# Altium PCB eps-flight.PcbDoc (part 2 of 4)
Units mm, origin at the board's own origin, x right, y up, seen from the top; angles counter-clockwise.
Board outline 94.67 x 90.17 mm, 4 copper layers (Top Layer, GND, VCC, Bottom Layer), stack 0.778 mm thick; 267 components, 191 nets, 1098 pads, 693 vias.
Unrouted connection lines stored in the file: 8.
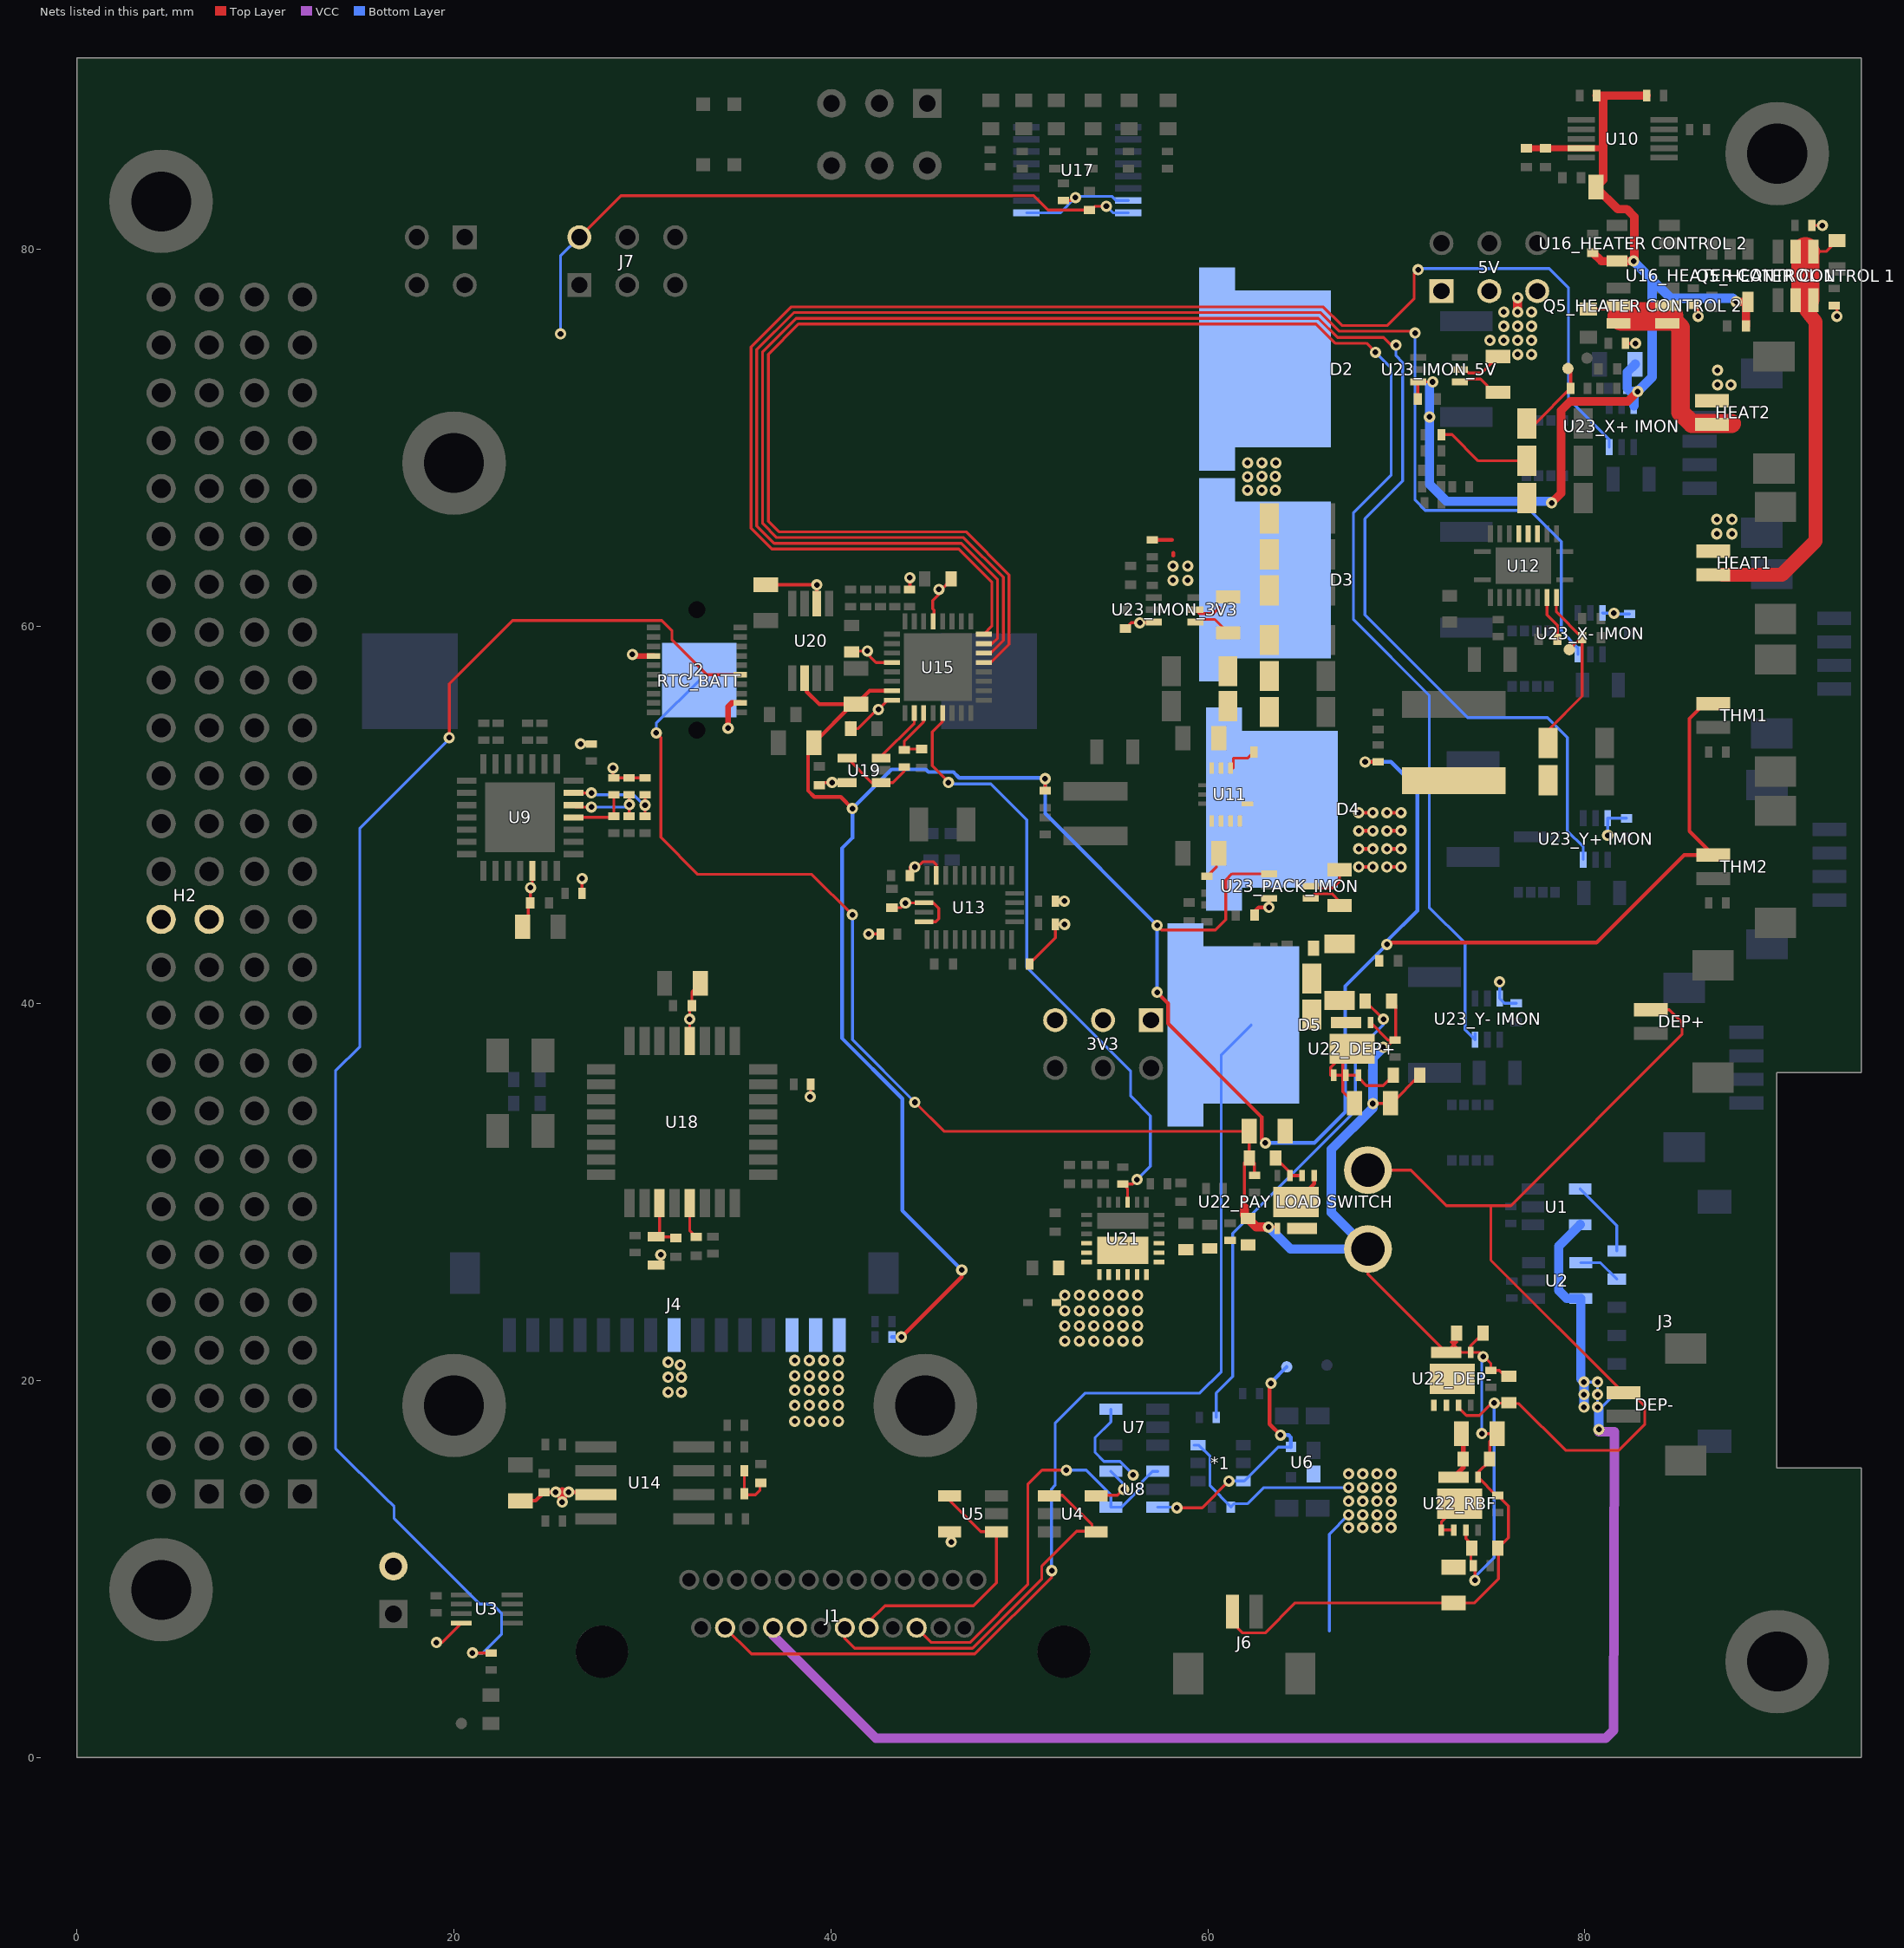
[diagram p4: the nets of this part, all layers, seen from the top]

## Part data
3V3 5V J7: "6 pos 100mil pitch low profile header", Supplier Part Number 1=SAM1088-03-ND, Supplier 1=Digi-Key
*1: "Battery Protection IC"
C1 C4 C5 C37 "C43_HEATER CONTROL 1" "C43_HEATER CONTROL 2" C44 C46 C47 C48 C51 C66_IMON_3V3 C66_IMON_5V C66_PACK_IMON "C66_X+ IMON" "C66_X- IMON" "C66_Y+ IMON" "C66_Y- IMON": library part CAP0402, "0402 capacitor", Capacitance=100nF, Case Code (Metric)=1005, Dielectric=X7R, Manufacturer="Taiyo Yuden", Manufacturer Part Number=EMK105B7104KVHF, Max Operating Temperature=125°C, Min Operating Temperature=-55°C, Package Quantity=10000, Ratings=AEC-Q200, Supplier Part Number 1=587-3807-1-ND, Tolerance=10%, Voltage Rating=16V, Case/Package=0402, Case Code (Imperial)=0402, Halogen Free="Halogen Free", Height=0.5mm, Lead Free="Lead Free", Length=0.039inch, Mount="Surface Mount", Packaging="Tape and Reel", Supplier 1=Digi-Key, Termination=SMD/SMT, Thickness=0.022inch, Voltage Rating (DC)=16V, Weight=2.3E-05oz, Width=0.02inch
  C1: ComponentLink1Description=http://www.yuden.co.jp/ut/product/category/capacitor/putpdf/EMK105B7104KVHF_SS.pdf?src-supplier=Avnet, ComponentLink1URL=http://www.yuden.co.jp/ut/product/category/capacitor/putpdf/EMK105B7104KVHF_SS.pdf?src-supplier=Avnet, ComponentLink2Description=http://ds.yuden.co.jp/TYCOMPAS/ut/detail.do?productNo=EMK105B7104KVHF&fileName=EMK105B7104KVHF_SS&mode=specSheetDownload&src-supplier=Digi-Key, ComponentLink2URL=http://ds.yuden.co.jp/TYCOMPAS/ut/detail.do?productNo=EMK105B7104KVHF&fileName=EMK105B7104KVHF_SS&mode=specSheetDownload&src-supplier=Digi-Key, ComponentLink3Description=https://www.yuden.co.jp/productdata/catalog/mlcc01_hq_e.pdf?src-supplier=Digi-Key, ComponentLink3URL=https://www.yuden.co.jp/productdata/catalog/mlcc01_hq_e.pdf?src-supplier=Digi-Key, ComponentLink4Description=http://www.mouser.com/ds/2/396/mlcc11_hq_e-541564.pdf?src-supplier=Mouser, ComponentLink4URL=http://www.mouser.com/ds/2/396/mlcc11_hq_e-541564.pdf?src-supplier=Mouser, Pricing 1="1=0.1, 10=0.052, 100=0.0233, 500=0.01666, 1000=0.01309, 2500=0.0119, 5000=0.01095 (USD)", Stock 1=97505
  C4 C5 C37 "C43_HEATER CONTROL 1" "C43_HEATER CONTROL 2" C44 C46 C47 C48 C51: Pricing 1="1=0.1, 10=0.057, 100=0.0254, 500=0.01812, 1000=0.01423, 2500=0.01294, 5000=0.0119 (USD)", Stock 1=18196
  C66_IMON_3V3 C66_IMON_5V C66_PACK_IMON "C66_X+ IMON" "C66_X- IMON" "C66_Y+ IMON" "C66_Y- IMON": Pricing 1="1=0.1, 10=0.057, 100=0.0254, 500=0.01812, 1000=0.01423, 2500=0.01294, 5000=0.0119 (USD)", Stock 1=17496
C2 C15 C19 C22 C30 C31 C32 C33: library part CAP0402, "0402 capacitor"
C3 C36 C42 C45 C53 C55: library part CAP0805, "0805 capacitor", Capacitance=10uF, Dielectric=X7R, Manufacturer=Murata, Manufacturer Part Number=GCM21BR70J106KE22K, Max Operating Temperature=125°C, Min Operating Temperature=-55°C, Supplier Part Number 1=490-14361-1-ND, Tolerance=10%, Voltage Rating (DC)=6.3V, Case/Package=0805, Depth=1.25mm, Lead Free="Lead Free", Length=2mm, Packaging="Tape and Reel", Pricing 1="1=0.42, 10=0.29, 100=0.1742, 500=0.13064, 1000=0.11031, 2500=0.10451, 5000=0.0987 (USD)", Stock 1=214938, Supplier 1=Digi-Key
C6: library part CAP0402, "0402 capacitor", Capacitance=100pF, Dielectric=X7R, Dielectric Material=Ceramic, Manufacturer=KEMET, Manufacturer Part Number=C0402C101J5RACAUTO, Supplier Part Number 1=399-17545-1-ND, Tolerance=5%, Voltage Rating (DC)=50V, Case/Package=0402, Pricing 1="1=0.13, 10=0.092, 100=0.0409, 500=0.02918, 1000=0.02293, 2500=0.02084, 5000=0.01918 (USD)", Stock 1=193150, Supplier 1=Digi-Key
C7: library part CAP0402, "0402 capacitor", Capacitance=150nF, Case Code (Metric)=1005, Dielectric=X7R, Manufacturer=TDK, Manufacturer Part Number=CGA2B1X7R1A154M050BC, Max Operating Temperature=125°C, Min Operating Temperature=-55°C, Package Quantity=10000, Ratings=AEC-Q200, Supplier Part Number 1=445-12236-1-ND, Tolerance=20%, Voltage Rating=10V, Case/Package=0402, Case Code (Imperial)=0402, Height=0.5mm, Length=0.039inch, Mount="Surface Mount", Packaging="Tape and Reel", Pricing 1="1=0.15, 10=0.106, 100=0.05, 500=0.03508, 1000=0.02904, 2500=0.02702, 5000=0.02473 (USD)", Stock 1=9983, Supplier 1=Digi-Key, Thickness=0.022inch, Voltage Rating (DC)=10V, Weight=2.3E-05oz, Width=0.5mm
C8 C9 C67 C72: library part CAP0805, "0805 capacitor"
C10 C11 C12 C13 C14 C16 C17 C18 C20 C21 C26 C27 C28 C70 C71: library part CAP1206, "1206 capacitor"
C23: library part CAP0603, "0603 capacitor", Capacitance=2.2uF, Case Code (Metric)=1608, Dielectric=X7S, Manufacturer=TDK, Manufacturer Part Number=CGA3E1X7S1C225K080AC, Max Operating Temperature=125°C, Min Operating Temperature=-55°C, Package Quantity=1, Ratings=AEC-Q200, Supplier Part Number 1=445-16104-1-ND, Tolerance=10%, Voltage Rating=16V, Case/Package=0603, Case Code (Imperial)=0603, ComponentLink1Description=https://product.tdk.com/info/en/catalog/spec/mlccspec_automotive_general_midvoltage_en.pdf?src-supplier=Digi-Key, ComponentLink1URL=https://product.tdk.com/info/en/catalog/spec/mlccspec_automotive_general_midvoltage_en.pdf?src-supplier=Digi-Key, ComponentLink2Description=http://www.farnell.com/datasheets/1936565.pdf?src-supplier=Element14, ComponentLink2URL=http://www.farnell.com/datasheets/1936565.pdf?src-supplier=Element14, ComponentLink3Description=https://product.tdk.com/info/en/catalog/datasheets/mlcc_automotive_general_en.pdf?src-supplier=Digi-Key, ComponentLink3URL=https://product.tdk.com/info/en/catalog/datasheets/mlcc_automotive_general_en.pdf?src-supplier=Digi-Key, ComponentLink4Description=http://product.tdk.com/en/catalog/datasheets/mlcc_automotive_general_en.pdf?src-supplier=Avnet, ComponentLink4URL=http://product.tdk.com/en/catalog/datasheets/mlcc_automotive_general_en.pdf?src-supplier=Avnet, ComponentLink5Description=http://www.farnell.com/datasheets/2292075.pdf?src-supplier=Farnell, ComponentLink5URL=http://www.farnell.com/datasheets/2292075.pdf?src-supplier=Farnell, ComponentLink6Description=http://www.farnell.com/datasheets/1936565.pdf?src-supplier=Farnell, ComponentLink6URL=http://www.farnell.com/datasheets/1936565.pdf?src-supplier=Farnell, Lead Free="Lead Free", Length=0.063inch, Mount="Surface Mount", Packaging="Cut Tape", Pricing 1="1=0.3, 10=0.203, 100=0.115, 500=0.08114, 1000=0.071 (USD)", REACH SVHC="No SVHC", Stock 1=772454, Supplier 1=Digi-Key, Thickness=0.035inch, Voltage Rating (DC)=16V, Width=0.031inch
C24: library part CAP0402, "0402 capacitor", Capacitance=82pF, Case Code (Metric)=1005, Manufacturer=Murata, Manufacturer Part Number=GCM1555C1H820FA16D, Max Operating Temperature=125°C, Min Operating Temperature=-55°C, Ratings=AEC-Q200, Supplier Part Number 1=490-16436-1-ND, Tolerance=1%, Voltage Rating=50V, Case/Package=0402, Case Code (Imperial)=0402, ComponentLink1Description=http://search.murata.co.jp/Ceramy/image/img/A01X/G101/ENG/GCM1555C1H820FA16-01.pdf?src-supplier=Digi-Key, ComponentLink1URL=http://search.murata.co.jp/Ceramy/image/img/A01X/G101/ENG/GCM1555C1H820FA16-01.pdf?src-supplier=Digi-Key, Mount="Surface Mount", Packaging="Tape and Reel", Pricing 1="1=0.13, 10=0.09, 100=0.0424, 500=0.0297, 1000=0.02459, 2500=0.02289, 5000=0.02094 (USD)", Stock 1=58762, Supplier 1=Digi-Key
C25: library part CAP0402, "0402 capacitor", Capacitance=8.2nF, Case Code (Metric)=1005, Manufacturer=Samsung, Manufacturer Part Number=CL05B822KB5VPNC, Max Operating Temperature=125°C, Min Operating Temperature=-55°C, Ratings=AEC-Q200, Supplier Part Number 1=1276-6570-2-ND, Tolerance=10%, Voltage Rating=50V, Case/Package=0402, Case Code (Imperial)=0402, Features="Soft Termination", Length=0.039inch, Mount="Surface Mount", Packaging="Tape and Reel", Pricing 1="10000=0.00495 (USD)", Stock 1=10000, Supplier 1=Digi-Key, Thickness=0.022inch, Width=0.02inch
C29: library part CAP0402, "0402 capacitor", Capacitance=1.8nF, Case Code (Metric)=1005, Manufacturer=Murata, Manufacturer Part Number=GCM155R71H182KA37D, Max Operating Temperature=125°C, Min Operating Temperature=-55°C, Ratings=AEC-Q200, Supplier Part Number 1=490-14429-1-ND, Tolerance=10%, Voltage Rating=50V, Case/Package=0402, Case Code (Imperial)=0402, ComponentLink1Description=http://search.murata.co.jp/Ceramy/image/img/A01X/partnumbering_e_02.pdf?src-supplier=Digi-Key, ComponentLink1URL=http://search.murata.co.jp/Ceramy/image/img/A01X/partnumbering_e_02.pdf?src-supplier=Digi-Key, ComponentLink2Description=http://search.murata.co.jp/Ceramy/image/img/A01X/G101/ENG/GCM155R71H182KA37-01.pdf?src-supplier=Digi-Key, ComponentLink2URL=http://search.murata.co.jp/Ceramy/image/img/A01X/G101/ENG/GCM155R71H182KA37-01.pdf?src-supplier=Digi-Key, Mount="Surface Mount", Packaging="Cut Tape", Pricing 1="1=0.1, 10=0.032, 100=0.0143, 500=0.01022, 1000=0.00803, 2500=0.0073, 5000=0.00671 (USD)", Stock 1=73085, Supplier 1=Digi-Key
C34 C35 C49 C50: library part CAP0603, "0603 capacitor"
C38: library part CAP0402, "0402 capacitor", Capacitance=47pF, Dielectric=X7R, Manufacturer=KEMET, Manufacturer Part Number=C0402C470J3RACAUTO, Max Operating Temperature=125°C, Min Operating Temperature=-55°C, Supplier Part Number 1=399-17558-1-ND, Tolerance=5%, Case/Package=0402, Depth=0.5mm, Length=1mm, Packaging="Tape and Reel", Pricing 1="1=0.15, 10=0.104, 100=0.0489, 500=0.0343, 1000=0.0284, 2500=0.02643, 5000=0.02418 (USD)", Stock 1=18140, Supplier 1=Digi-Key
C39 C40 C41 C54: library part CAP0603, "0603 capacitor", Capacitance=1uF, Case Code (Metric)=1608, Manufacturer=KEMET, Manufacturer Part Number=C0603C105K4RACAUTO, Max Operating Temperature=125°C, Min Operating Temperature=-55°C, Ratings=AEC-Q200, Supplier Part Number 1=399-17704-1-ND, Tolerance=10%, Voltage Rating=16V, Case/Package=0603, Case Code (Imperial)=0603, Mount="Surface Mount", Packaging="Cut Tape", Pricing 1="1=0.17, 10=0.12, 100=0.0564, 500=0.03952, 1000=0.03273 (USD)", Stock 1=376276, Supplier 1=Digi-Key
C52: library part CAP0402, "0402 capacitor", Capacitance=220pF, Case Code (Metric)=1005, Dielectric=X7R, Manufacturer=Murata, Manufacturer Part Number=GCM155R71H221KA37D, Max Operating Temperature=125°C, Min Operating Temperature=-55°C, Package Quantity=1, Ratings=AEC-Q200, Supplier Part Number 1=490-4912-1-ND, Tolerance=10%, Voltage=50V, Case/Package=0402, Case Code (Imperial)=0402, ComponentLink1Description=http://psearch.murata.com/capacitor/product/GCM155R71H221KA37%23.pdf?src-supplier=Avnet+Europe, ComponentLink1URL=http://psearch.murata.com/capacitor/product/GCM155R71H221KA37%23.pdf?src-supplier=Avnet+Europe, ComponentLink2Description=http://search.murata.co.jp/Ceramy/image/img/A01X/partnumbering_e_02.pdf?src-supplier=Digi-Key, ComponentLink2URL=http://search.murata.co.jp/Ceramy/image/img/A01X/partnumbering_e_02.pdf?src-supplier=Digi-Key, ComponentLink3Description=https://www.murata.com/~/media/webrenewal/support/library/catalog/products/capacitor/mlcc/c03e.ashx?src-supplier=Avnet, ComponentLink3URL=https://www.murata.com/~/media/webrenewal/support/library/catalog/products/capacitor/mlcc/c03e.ashx?src-supplier=Avnet, Depth=0.5mm, Height=0.5mm, Length=1mm, Mount="Surface Mount", Packaging="Tape and Reel", Pricing 1="1=0.1, 10=0.059, 100=0.0264, 500=0.01884, 1000=0.0148, 2500=0.01346, 5000=0.01238 (USD)", Radiation Hardening=No, Stock 1=141569, Supplier 1=Digi-Key, Termination=SMD/SMT, Thickness=0.022inch, Voltage Rating=50V, Voltage Rating (DC)=50V, Width=0.02inch
C56: library part CAP0603, "0603 capacitor", Supplier Part Number 1=490-9729-1-ND, Supplier 1=Digi-Key
C57: library part CAP0603, "0603 capacitor", Supplier Part Number 1=490-4767-6-ND, Supplier 1=Digi-Key
C58: library part CAP0402, "0402 capacitor", Supplier Part Number 1=490-4914-6-ND, Supplier 1=Digi-Key
C59: library part CAP0402, "0402 capacitor", Supplier Part Number 1=490-3264-6-ND, Supplier 1=Digi-Key
C60: library part CAP0402, "0402 capacitor", Supplier Part Number 1=490-6328-6-ND, Supplier 1=Digi-Key
C61: library part CAP0402, "0402 capacitor", Supplier Part Number 1=490-8245-6-ND, Supplier 1=Digi-Key
C62: library part CAP0402, "0402 capacitor", Supplier Part Number 1=490-11984-6-ND, Supplier 1=Digi-Key
C63_DEP+ C63_DEP- "C63_PAY LOAD SWITCH" C63_RBF C65_DEP+ C65_DEP- "C65_PAY LOAD SWITCH" C65_RBF: library part CAP0603, "0603 capacitor", Supplier Part Number 1=1276-6524-6-ND, ComponentLink1Description=Datasheet, ComponentLink1URL=https://media.digikey.com/pdf/Data%20Sheets/Samsung%20PDFs/CL10B105MO8NNWC.pdf, Supplier 1=Digi-Key
C64_DEP+ C64_DEP- "C64_PAY LOAD SWITCH" C64_RBF: library part CAP0805, "0805 capacitor", Supplier Part Number 1=490-14381-6-ND, ComponentLink1Description=Datasheet, ComponentLink1URL=https://search.murata.co.jp/Ceramy/image/img/A01X/G101/ENG/GRM21BR71A106KA73-01.pdf, Supplier 1=Digi-Key
C68 C69: library part Cap, "Capacitor", LatestRevisionDate=17-Jul-2002, LatestRevisionNote="Re-released for DXP Platform.", PackageDescription="Radial Cap, Thru-Hole; 2 Leads; 0.3 in Pin Spacing", PackageReference=RAD-0.3, Published=8-Jun-2000, Publisher="Altium Limited"
D1: library part LED, "Just a generic LED"
D2 D3 D4 D5: "PV Diode", Average Rectified Current=15A, Case/Package=TO-263-3, Manufacturer="Texas Instruments", Manufacturer Part Number=SM74611KTTR, Max Operating Temperature=125°C, Max Power Dissipation=575mW, Max Repetitive Reverse Voltage (Vrrm)=28V, Max Reverse Voltage (DC)=30V, Min Operating Temperature=-40°C, Min Supply Voltage=100mV, Operating Supply Current=0pA, Package Quantity=1, Peak Reverse Current=300nA, Supplier Part Number 1=296-35688-6-ND, ComponentLink1Description=http://www.ti.com/lit/ml/mpsf052b/mpsf052b.pdf?keyMatch=ktt%20package%20drawing&tisearch=Search-EN-Everything&src-supplier=Digi-Key, ComponentLink1URL=http://www.ti.com/lit/ml/mpsf052b/mpsf052b.pdf?keyMatch=ktt%20package%20drawing&tisearch=Search-EN-Everything&src-supplier=Digi-Key, Element Configuration=Single, Forward Current=15A, Lead Free="Contains Lead", Max Supply Voltage=30V, Mount="Surface Mount", Number of Drivers=1, Number of Outputs=1, Number of Pins=3, Output Current=15A, Packaging="Tape and Reel", Pricing 1="1=3.6, 10=3.236, 100=2.6512 (USD)", Quiescent Current=0pA, Radiation Hardening=No, REACH SVHC="No SVHC", Stock 1=19774, Supplier 1=Digi-Key, Weight=0.068654oz
"D6_HEATER CONTROL 1" "D6_HEATER CONTROL 2" D7 D8 D9 D10 D11 D12: "Generic 0603 LED. Use ChipLED from Osram for generic ones."
D13: "Diode", Case/Package=1610, Clamping Voltage=11.6V, Manufacturer=STMicroelectronics, Max Breakdown Voltage=7.2V, Max Operating Temperature=150°C, Min Breakdown Voltage=6.4V, Min Operating Temperature=-55°C, Mouser Part Number=511-ESDA7P60-1U1M, Peak Pulse Current=60A, Peak Pulse Power=700W, Power Line Protection=No, Reverse Standoff Voltage=5V, RS Part Number=1106381P, Supplier Part Number 1=497-16253-1-ND, ComponentLink1Description=http://www.st.com/content/ccc/resource/technical/document/datasheet/44/e9/26/44/42/ee/4f/e5/DM00139972.pdf/files/DM00139972.pdf/jcr:content/translations/en.DM00139972.pdf?src-supplier=Digi-Key, ComponentLink1URL=http://www.st.com/content/ccc/resource/technical/document/datasheet/44/e9/26/44/42/ee/4f/e5/DM00139972.pdf/files/DM00139972.pdf/jcr:content/translations/en.DM00139972.pdf?src-supplier=Digi-Key, ComponentLink2Description=http://www.farnell.com/datasheets/2041290.pdf?src-supplier=Element14, ComponentLink2URL=http://www.farnell.com/datasheets/2041290.pdf?src-supplier=Element14, ComponentLink3Description=http://www.farnell.com/datasheets/2041290.pdf?src-supplier=Farnell, ComponentLink3URL=http://www.farnell.com/datasheets/2041290.pdf?src-supplier=Farnell, Composition=Zener, Datasheet Link=https://www.st.com/resource/en/datasheet/esda7p60-1u1m.pdf, Height=0.6mm, Manufacturer_Name=STMicroelectronics, Manufacturer_Part_Number=ESDA7P60-1U1M, Manufacturer Part Number=ESDA7P60-1U1M, Mount="Surface Mount", Mouser Price/Stock=https://www.mouser.com/Search/Refine.aspx?Keyword=511-ESDA7P60-1U1M, Number of Pins=2, Number of Unidirectional Channels=1, Packaging="Cut Tape", Polarity=Unidirectional, Pricing 1="1=0.45, 10=0.363, 100=0.2472, 500=0.1854, 1000=0.13905, 2500=0.12746 (USD)", REACH SVHC="No SVHC", RS Price/Stock=http://uk.rs-online.com/web/p/products/1106381P, Stock 1=16331, Supplier 1=Digi-Key
D14: library part 1SS389, "No Description Available", Average Rectified Current=100mA, Manufacturer=Comchip, Manufacturer Part Number=1SS389-G, Max Reverse Voltage (DC)=10V, Supplier Part Number 1=641-1784-1-ND, Built_By=EMA_Kyle, ComponentLink1Description=http://www.comchiptech.com/cms/UserFiles/1SS389-G%20RevA305239.pdf?src-supplier=Digi-Key, ComponentLink1URL=http://www.comchiptech.com/cms/UserFiles/1SS389-G%20RevA305239.pdf?src-supplier=Digi-Key, ComponentLink2Description="http://www.comchiptech.com/admin/files/product/1SS389-G RevA305239.pdf?src-supplier=Digi-Key", ComponentLink2URL="http://www.comchiptech.com/admin/files/product/1SS389-G RevA305239.pdf?src-supplier=Digi-Key", Copyright="Copyright (C) 2016 Accelerated Designs. All rights reserved", Manufacturer_Part_Number=1SS389, Mount="Surface Mount", Packaging="Tape and Reel", Pricing 1="1=0.22, 10=0.184, 25=0.154, 100=0.0975, 250=0.07524, 500=0.06412, 1000=0.04361 (USD)", RefDes=RefDes, Stock 1=2304, Supplier 1=Digi-Key, Type=DEV, Vendor=Toshiba
DEP+ DEP- HEAT1 HEAT2 J6 THM1 THM2: "2 pos DF13 right angle surface mount connector", Supplier Part Number 1=H125743CT-ND, Supplier 1=Digi-Key
H1 H2: "PC/104(TM) Elevated Socket Strip, Through-hole, Vertical, -55 to 125 degC, 2.54 mm Pitch, 52-Pin, Female, RoHS", Manufacturer=Samtec, Supplier Part Number 1=92P1348, Temperature Range="-55 to 125 degC", ComponentLink1Description="Manufacturer URL", ComponentLink1URL=http://www.samtec.com, ComponentLink2Description=Datasheet, ComponentLink2URL=http://www.samtec.com/documents/webfiles/pdf/ESQ_TH.PDF, ComponentLink3Description="Package Specification", ComponentLink3URL=http://www.samtec.com/documents/webfiles/cpdf/ESQ-1XX-XX-X-X-XXX-XX-X-XX-MKT.pdf, DatasheetVersion=F-214, Mounting Technology=Through-hole, Orientation=Vertical, PackageDescription="ESQ Strip ASM", PackageReference=ESQ-126-23-X-D, PackageVersion="BZ, 9/1998", PartNumber=ESQ-126-23-G-D, Pitch="2.54 mm", RoHS=True, Supplier 1=Newark
  H1: Supplier 2=Digi-Key, Supplier Part Number 2=ESQ-126-23-G-D-ND
J1: "Mini-DSUB 25-pos Connector", Supplier Part Number 1=WM2144-ND, Supplier 1=Digi-Key
J2: "0.50 mm Razor Beam LP Ultra Low Profile Terminal Strip, alignment pin option", ComponentLink1Description="Product Page", ComponentLink1URL=https://www.samtec.com/products/tlh-010-0.50-g-d-a, Supplier 1=Samtec, Supplier Part Number 1=TLH-010-0.50-G-D-A
J3: "Wire-To-Board Connector, Pico-Lock 504050 Series, Surface Mount, Header, 6, 1.5 mm", Supplier Part Number 1=WM10143CT-ND, Supplier 1=Digi-Key
J4: "15 pos DF13 right angle surface mount connector", Supplier Part Number 1=H125988CT-ND, Supplier 1=Digi-Key
J5: "Samtec Connector Through Hole, Right Angle 2 pos 0.165\" (4.20mm) pitch", Supplier Part Number 1=SAM9552-ND, Supplier 1=Digi-Key
J8: "4 pos 100mil pitch low profile header", Supplier Part Number 1=SAM1088-02-ND, Supplier 1=Digi-Key
L1: "1uH 20% 9.6A 14.60mOhms AEC-Q200", DC Resistance (DCR)=14.6mR, Inductance=1uH, Manufacturer=Coilcraft, Manufacturer Part Number=XAL4020-102MEC, Max DC Current=9.6A, Max Operating Temperature=125°C, Min Operating Temperature=-40°C, Package Quantity=1000, Self Resonant Frequency=79MHz, Supplier Part Number 1=994-XAL4020-102MEC, Test Frequency=100kHz, Tolerance=20%, Core Material=Composite, Height=2.1mm, Lead Free="Contains Lead", Length=4.3mm, Packaging="Tape and Reel", Pricing 1="1=1.8, 10=1.8, 50=1.8, 100=1.44, 500=0.944, 1000=0.869, 2000=0.809, 10000=0.809 (USD)", Shielding=Shielded, Stock 1=13905, Supplier 1=Mouser, Termination=SMD/SMT, Width=4.3mm
L2: "Inductor", DC Resistance (DCR)=13.97mR, Inductance=2.2uH, Manufacturer=Coilcraft, Manufacturer Part Number=XAL6030-222MEB, Max DC Current=10A, Max Operating Temperature=125°C, Min Operating Temperature=-40°C, Package Quantity=20, Self Resonant Frequency=30MHz, Supplier Part Number 1=994-XAL6030-222MEB, Test Frequency=100kHz, Tolerance=20%, Code_IEC=1005, Code_JEITA=0402, ComponentLink1Description="Supplier Link", ComponentLink1URL=https://www.mouser.ca/ProductDetail/Coilcraft/XAL6030-222MEB?qs=sGAEpiMZZMsg%252By3WlYCkU2kWFds1hA9DXj9xdKzQVV4%3D, Core Material=Composite, Height=3.1mm, LatestRevisionDate=29-May-2009, LatestRevisionNote="IPC-7351 Footprint Added.", Lead Free="Contains Lead", Length=6.76mm, PackageDescription="Chip Inductor", PackageReference=0402-A, Packaging="Tape and Reel", Pricing 1="1=1.85, 10=1.85, 50=1.85, 100=1.7, 400=1.28, 800=0.942, 1000=0.942, 2000=0.877, 10000=0.877 (USD)", Published=8-Jun-2000, Publisher="Altium Limited", Shielding=Shielded, Stock 1=3253, Supplier 1=Mouser, Termination=SMD/SMT, Width=6.56mm